# Allegro board 8880F5-0825_4.brd (continued)
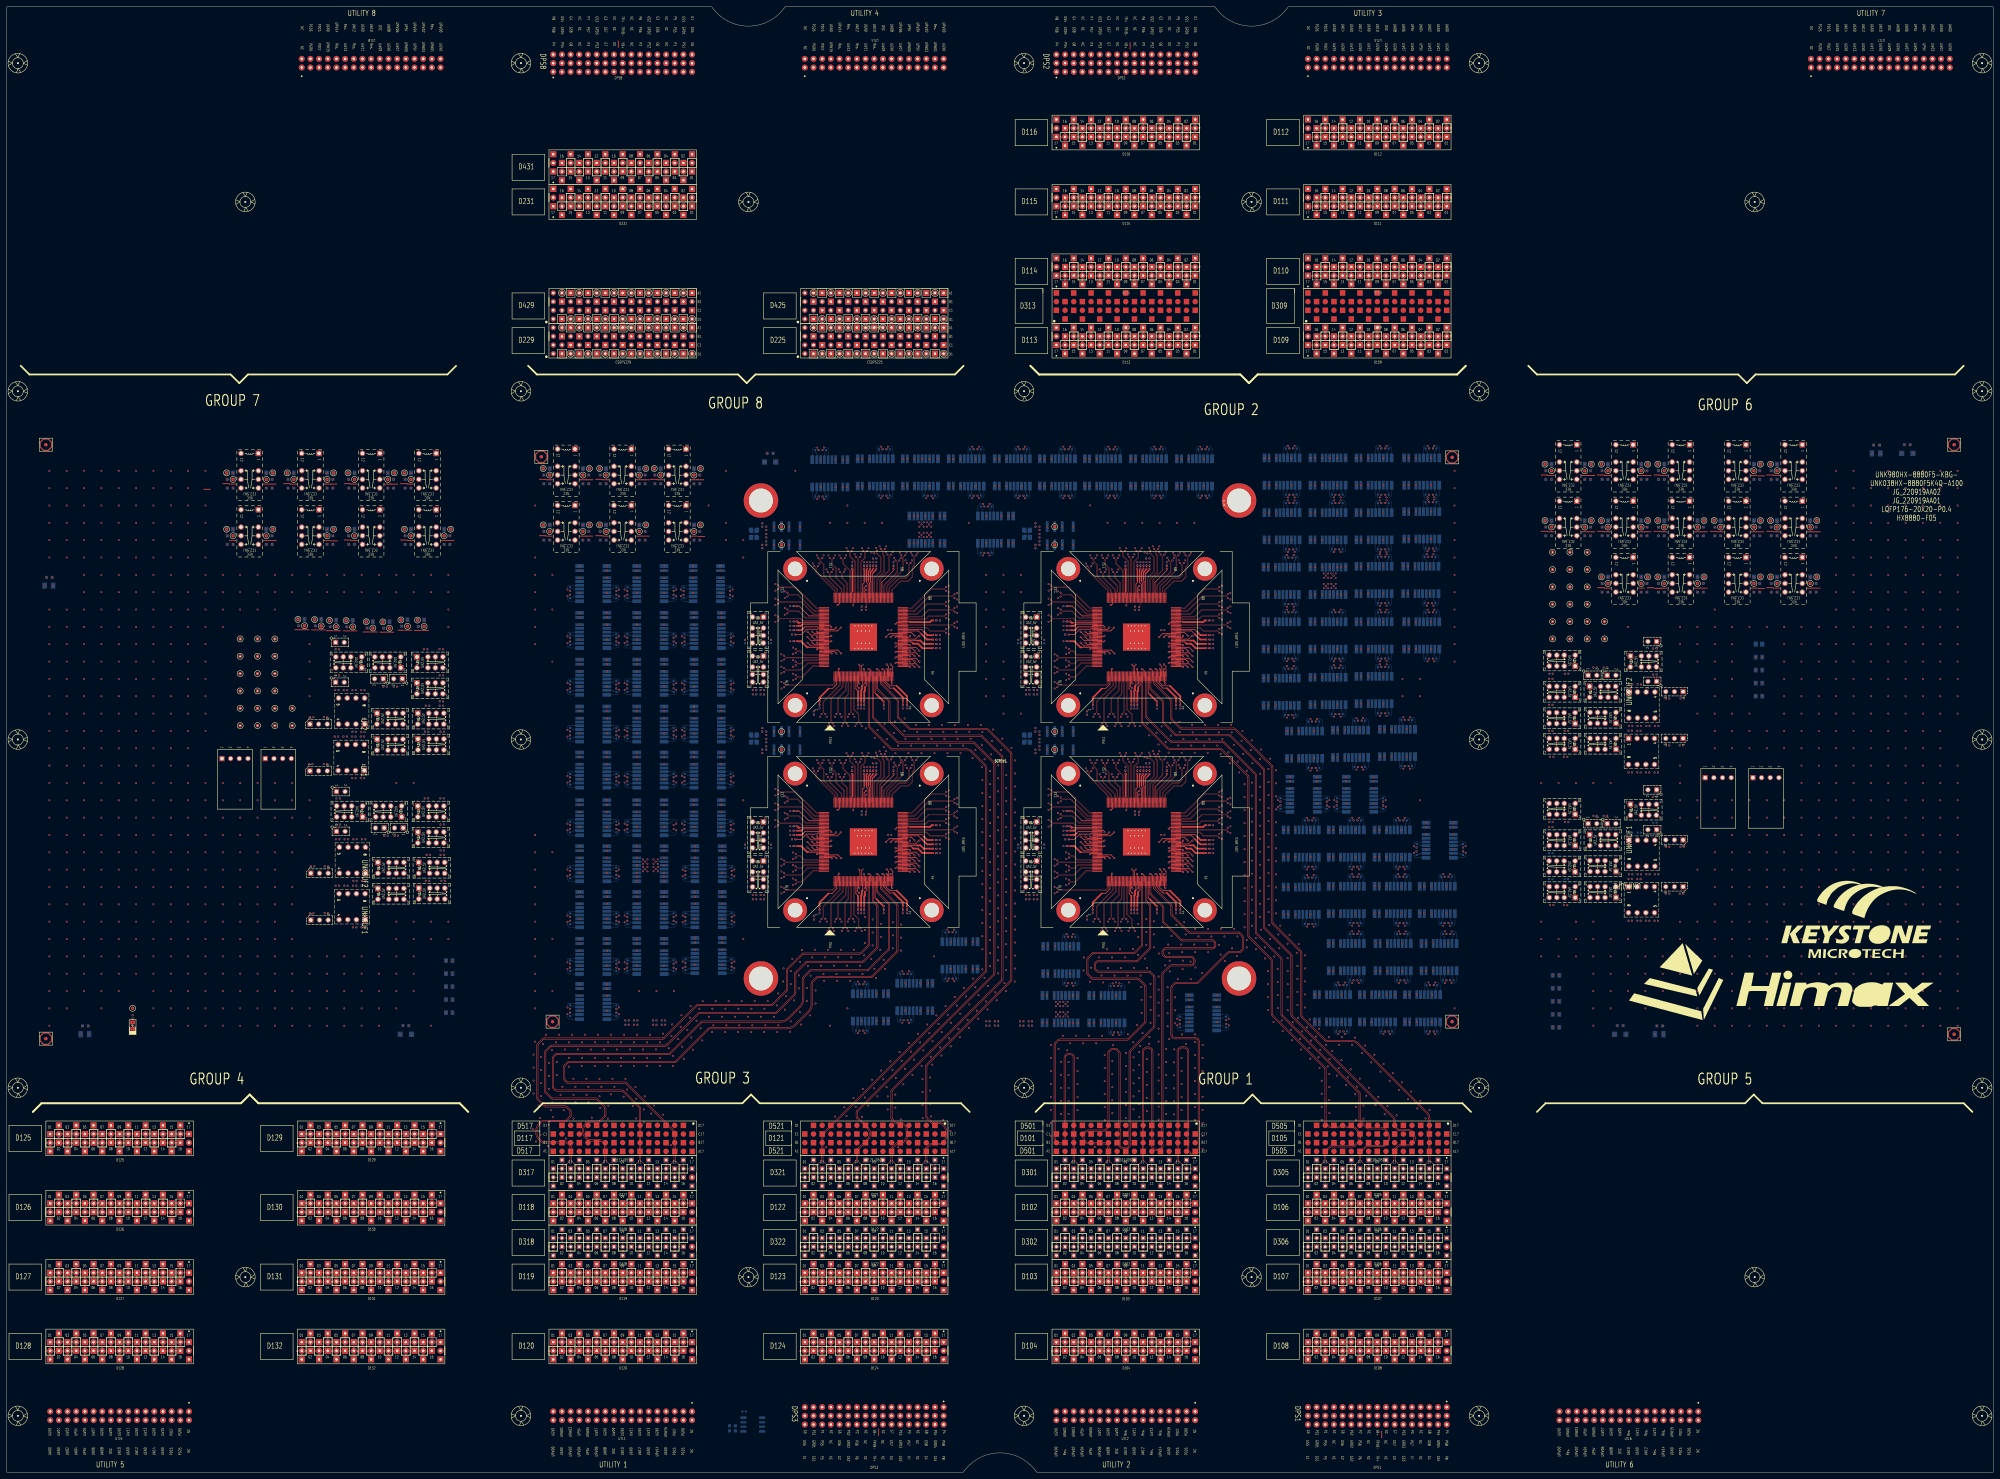
[diagram p0: board, top side]
## Placement (name value [footprint] x y rotation side) (continued)
NOREF#1898  -  []  211.11 160.4 90 top
NOREF#1899  -  []  318.3 164.74 90 top
NOREF#1900  -  []  518.38 257.36 90 top
NOREF#1901  -  []  342.04 164.74 0 top
NOREF#1902  -  []  199.08 254 0 top
NOREF#1903  -  []  329.85 224.72 0 top
NOREF#1904  -  []  511.59 273.87 90 top
NOREF#1905  -  []  334.61 264.65 90 top
NOREF#1906  -  []  306.85 271.67 0 top
NOREF#1907  -  []  331.06 163.82 90 top
NOREF#1908  -  []  247.25 204.35 90 top
NOREF#1909  -  []  275.82 296.86 0 top
NOREF#1910  -  []  456.04 179.06 0 top
NOREF#1911  -  []  229.21 243.09 0 top
NOREF#1912  -  []  413.71 178.82 90 top
NOREF#1913  -  []  317.66 224.72 0 top
NOREF#1914  -  []  127.3 228.02 90 top
NOREF#1915  -  []  424.47 163.09 90 top
NOREF#1916  -  []  263.95 163.52 90 top
NOREF#1917  -  []  528.1 257.36 90 top
NOREF#1918  -  []  199.59 203.01 90 top
NOREF#1919  -  []  341.63 255.43 90 top
NOREF#1920  -  []  327.25 265.56 0 top
NOREF#1921  -  []  408.28 129.99 0 top
NOREF#1922  -  []  410.52 273.37 0 top
NOREF#1923  -  []  367.13 287.22 0 top
NOREF#1924  -  []  410.78 131.89 0 top
NOREF#1925  -  []  408.02 287.22 0 top
NOREF#1926  -  []  182.57 144.78 90 top
NOREF#1927  -  []  96.33 238.84 0 top
NOREF#1928  -  []  124.64 171.1 0 top
NOREF#1929  -  []  310.41 248.88 90 top
NOREF#1930  -  []  119.7 238.84 0 top
NOREF#1931  -  []  182.57 199.39 90 top
NOREF#1932  -  []  303.84 288.86 0 top
NOREF#1933  -  []  351.04 185.5 0 top
NOREF#1934  -  []  410.52 241.11 0 top
NOREF#1935  -  []  272.24 183.59 90 top
NOREF#1936  -  []  177.33 242.18 90 top
NOREF#1937  -  []  192.47 189.02 90 top
NOREF#1938  -  []  93.76 290.38 90 top
NOREF#1939  -  []  182.57 158.5 90 top
NOREF#1940  -  []  253.4 204.35 90 top
NOREF#1941  -  []  200.98 260.9 90 top
NOREF#1942  -  []  251.38 224.74 90 top
NOREF#1943  -  []  310.41 188.88 90 top
NOREF#1944  -  []  394.66 226.38 90 top
NOREF#1945  -  []  175.7 137.37 90 top
NOREF#1946  -  []  167.7 147.28 90 top
NOREF#1947  -  []  201.49 163.2 90 top
NOREF#1948  -  []  209.23 243.88 90 top
NOREF#1949  -  []  267.84 280.1 0 top
NOREF#1950  -  []  453.88 195.91 0 top
NOREF#1951  -  []  289.29 296.86 0 top
NOREF#1952  -  []  116.27 178.64 0 top
NOREF#1953  -  []  352.24 184.86 90 top
NOREF#1954  -  []  272.8 157.28 0 top
NOREF#1955  -  []  247.25 265.55 0 top
NOREF#1956  -  []  352.24 242.32 90 top
NOREF#1957  -  []  395.2 233.11 0 top
NOREF#1958  -  []  412.36 209.61 90 top
NOREF#1959  -  []  473.79 239.64 0 top
NOREF#1960  -  []  247.25 205.56 90 top
NOREF#1961  -  []  410.78 131.89 0 top
NOREF#1962  -  []  301.56 171.46 0 top
NOREF#1963  -  []  300.36 177.06 0 top
NOREF#1964  -  []  230.73 183.41 0 top
NOREF#1965  -  []  115.19 128.27 0 top
NOREF#1966  -  []  451.64 222.5 0 top
NOREF#1967  -  []  282.9 147.38 0 top
NOREF#1968  -  []  380.59 255.21 0 top
NOREF#1969  -  []  201.49 161 90 top
NOREF#1970  -  []  260.6 286.96 90 top
NOREF#1971  -  []  313.22 288.31 90 top
NOREF#1972  -  []  352.24 181.05 90 top
NOREF#1973  -  []  200.98 256.5 90 top
NOREF#1974  -  []  305.94 288.86 0 top
NOREF#1975  -  []  375.73 193.43 0 top
NOREF#1976  -  []  167.7 206.29 90 top
NOREF#1977  -  []  459.28 227 90 top
NOREF#1978  -  []  376.23 209.11 0 top
NOREF#1979  -  []  420.62 239.21 90 top
NOREF#1980  -  []  453.88 230.2 0 top
NOREF#1981  -  []  271.56 288.91 90 top
NOREF#1982  -  []  477.24 195.66 0 top
NOREF#1983  -  []  199.33 257.62 90 top
NOREF#1984  -  []  459.24 219.3 0 top
NOREF#1985  -  []  272.55 189.5 0 top
NOREF#1986  -  []  295.19 271.65 90 top
NOREF#1987  -  []  175.8 215.25 90 top
NOREF#1988  -  []  415.1 163.64 0 top
NOREF#1989  -  []  309.05 271.67 0 top
NOREF#1990  -  []  238.3 223.52 90 top
NOREF#1991  -  []  397.38 163.64 90 top
NOREF#1992  -  []  165.8 254 90 top
NOREF#1993  -  []  251.06 165.04 90 top
NOREF#1994  -  []  392.04 224.85 90 top
NOREF#1995  -  []  410.52 241.11 0 top
NOREF#1996  -  []  274.67 286.96 0 top
NOREF#1997  -  []  384.36 131.89 0 top
NOREF#1998  -  []  317.66 164.74 0 top
NOREF#1999  -  []  396.55 257.37 0 top
NOREF#2000  -  []  199.84 162.12 90 top
NOREF#2001  -  []  201.23 187.92 90 top
NOREF#2002  -  []  116.01 222.33 0 top
NOREF#2003  -  []  302.11 192.14 0 top
NOREF#2004  -  []  351.04 249.82 0 top
NOREF#2005  -  []  184.47 151.68 90 top
NOREF#2006  -  []  248.96 164.74 0 top
NOREF#2007  -  []  463.61 179.15 0 top
NOREF#2008  -  []  415.61 185.72 90 top
NOREF#2009  -  []  400.25 148.15 90 top
NOREF#2010  -  []  263.71 288.86 0 top
NOREF#2011  -  []  175.7 195.52 90 top
NOREF#2012  -  []  367.13 271.21 0 top
NOREF#2013  -  []  485.36 259.9 90 top
NOREF#2014  -  []  465.31 230.2 0 top
NOREF#2015  -  []  184.89 172.56 90 top
NOREF#2016  -  []  412.79 209.16 90 top
NOREF#2017  -  []  419.22 257.37 90 top
NOREF#2018  -  []  404.4 225.16 90 top
NOREF#2019  -  []  400.85 281.11 0 top
NOREF#2020  -  []  184.47 178.86 90 top
NOREF#2021  -  []  184.47 200.54 90 top
NOREF#2022  -  []  230.43 187.61 0 top
NOREF#2023  -  []  329.85 224.74 0 top
NOREF#2024  -  []  399.67 131.89 0 top
NOREF#2025  -  []  344.37 128.27 0 top
NOREF#2026  -  []  375.22 163.39 0 top
NOREF#2027  -  []  412.62 241.11 0 top
NOREF#2028  -  []  369.38 257.11 0 top
NOREF#2029  -  []  378.75 256.66 90 top
NOREF#2030  -  []  259.88 288.31 90 top
NOREF#2031  -  []  392.04 257.11 90 top
NOREF#2032  -  []  303.56 185.29 90 top
NOREF#2033  -  []  106.29 174.19 90 top
NOREF#2034  -  []  165.8 212.85 90 top
NOREF#2035  -  []  271.04 249.18 0 top
NOREF#2036  -  []  324.65 288.86 0 top
NOREF#2037  -  []  201.23 206.29 90 top
NOREF#2038  -  []  118.7 188.08 0 top
NOREF#2039  -  []  331.06 165.04 90 top
NOREF#2040  -  []  409.49 163.64 0 top
NOREF#2041  -  []  411.99 178.25 90 top
NOREF#2042  -  []  310.41 247.61 90 top
NOREF#2043  -  []  373.87 171.39 0 top
NOREF#2044  -  []  387.08 188.15 0 top
NOREF#2045  -  []  263.95 164.74 90 top
NOREF#2046  -  []  401.89 163.64 0 top
NOREF#2047  -  []  343.83 231.63 90 top
NOREF#2048  -  []  399.64 144.98 0 top
NOREF#2049  -  []  331.05 204.65 90 top
NOREF#2050  -  []  184.47 233.47 90 top
NOREF#2051  -  []  471.21 175.95 0 top
NOREF#2052  -  []  222.67 298 90 top
NOREF#2053  -  []  84.04 290.38 90 top
NOREF#2054  -  []  396.55 289.12 0 top
NOREF#2055  -  []  463.11 230.2 0 top
NOREF#2056  -  []  209.59 147.43 90 top
NOREF#2057  -  []  352.55 183.91 0 top
NOREF#2058  -  []  501.87 276.41 90 top
NOREF#2059  -  []  352.25 242.96 0 top
NOREF#2060  -  []  384.59 179.6 90 top
NOREF#2061  -  []  124.61 178.64 0 top
NOREF#2062  -  []  461.86 230.75 0 top
NOREF#2063  -  []  400.24 202.38 90 top
NOREF#2064  -  []  288.14 286.96 0 top
NOREF#2065  -  []  94.93 190.55 0 top
NOREF#2066  -  []  115.36 235.64 90 top
NOREF#2067  -  []  329.28 223.82 90 top
NOREF#2068  -  []  449.99 174.46 0 top
NOREF#2069  -  []  273.95 147.38 90 top
NOREF#2070  -  []  124.39 214.79 0 top
NOREF#2071  -  []  107.02 171.57 0 top
NOREF#2072  -  []  250.49 163.52 90 top
NOREF#2073  -  []  423.61 188.92 90 top
NOREF#2074  -  []  36.1 131.91 0 top
NOREF#2075  -  []  167.7 192.32 90 top
NOREF#2076  -  []  392.73 188.15 0 top
NOREF#2077  -  []  272.25 242.96 0 top
NOREF#2078  -  []  351.04 189.82 0 top
NOREF#2079  -  []  249.6 224.74 90 top
NOREF#2080  -  []  297.71 216.09 0 top
NOREF#2081  -  []  128.05 273.87 90 top
NOREF#2082  -  []  272.25 185.5 0 top
NOREF#2083  -  []  229.21 186.34 0 top
NOREF#2084  -  []  184.47 219.75 90 top
NOREF#2085  -  []  330.73 204.35 90 top
NOREF#2086  -  []  461.86 182.17 90 top
NOREF#2087  -  []  410.84 180.15 90 top
NOREF#2088  -  []  473.79 196.21 0 top
NOREF#2089  -  []  399.39 178.25 0 top
NOREF#2090  -  []  271.04 245.5 0 top
NOREF#2091  -  []  331.62 264.35 90 top
NOREF#2092  -  []  201.23 242.78 90 top
NOREF#2093  -  []  298.49 288.91 90 top
NOREF#2094  -  []  165.8 158.5 0 top
NOREF#2095  -  []  250.73 205.56 90 top
NOREF#2096  -  []  375.73 194.78 90 top
NOREF#2097  -  []  182.82 203.01 90 top
NOREF#2098  -  []  392.24 199.18 90 top
NOREF#2099  -  []  96.58 195.15 0 top
NOREF#2100  -  []  118.7 222.88 0 top
NOREF#2101  -  []  167.7 161 90 top
NOREF#2102  -  []  327.89 204.35 90 top
NOREF#2103  -  []  327.25 265.56 90 top
NOREF#2104  -  []  230.41 253.37 90 top
NOREF#2105  -  []  199.33 240.28 0 top
NOREF#2106  -  []  351.04 244.23 0 top
NOREF#2107  -  []  352.25 182.32 90 top
NOREF#2108  -  []  229.21 188.88 0 top
NOREF#2109  -  []  383.09 257.11 0 top
NOREF#2110  -  []  230.41 186.34 90 top
NOREF#2111  -  []  118.99 166.5 90 top
NOREF#2112  -  []  310.43 248.88 90 top
NOREF#2113  -  []  379 272.56 90 top
NOREF#2114  -  []  400.91 207.71 0 top
NOREF#2115  -  []  105.58 234.24 90 top
NOREF#2116  -  []  259.97 204.35 90 top
NOREF#2117  -  []  327.57 205.86 90 top
NOREF#2118  -  []  327.25 205.55 0 top
NOREF#2119  -  []  463.61 222.58 0 top
NOREF#2120  -  []  385.19 265.11 0 top
NOREF#2121  -  []  167.7 219.75 90 top
NOREF#2122  -  []  320.83 254.63 0 top
NOREF#2123  -  []  463.61 214.96 0 top
NOREF#2124  -  []  108.01 214.71 0 top
NOREF#2125  -  []  306.92 146.05 0 top
NOREF#2126  -  []  240.83 254.63 0 top
NOREF#2127  -  []  177.33 187.32 90 top
NOREF#2128  -  []  397.55 209.41 90 top
NOREF#2129  -  []  201.49 159.65 0 top
NOREF#2130  -  []  351.34 182.64 0 top
NOREF#2131  -  []  334.81 296.86 0 top
NOREF#2132  -  []  116.27 171.02 0 top
NOREF#2133  -  []  451.64 222.5 0 top
NOREF#2134  -  []  165.8 144.78 90 top
NOREF#2135  -  []  378.75 240.66 90 top
NOREF#2136  -  []  184.47 186.57 90 top
NOREF#2137  -  []  192.47 191.22 90 top
NOREF#2138  -  []  472.86 217.98 90 top
NOREF#2139  -  []  262.36 225.04 90 top
NOREF#2140  -  []  259.45 288.86 90 top
NOREF#2141  -  []  413.71 148.15 90 top
NOREF#2142  -  []  528.1 276.41 90 top
NOREF#2143  -  []  249.6 163.52 90 top
NOREF#2144  -  []  412.88 139.89 0 top
NOREF#2145  -  []  342.68 224.74 90 top
NOREF#2146  -  []  310.43 243.09 90 top
NOREF#2147  -  []  390.94 257.16 90 top
NOREF#2148  -  []  250.17 163.82 90 top
NOREF#2149  -  []  230.41 187.61 90 top
NOREF#2150  -  []  167.7 178.86 90 top
NOREF#2151  -  []  167.7 192.32 90 top
NOREF#2152  -  []  485.36 292.02 90 top
NOREF#2153  -  []  340.61 286.96 90 top
NOREF#2154  -  []  167.7 186.57 0 top
NOREF#2155  -  []  261.82 290.13 90 top
NOREF#2156  -  []  295.96 177.06 0 top
NOREF#2157  -  []  341.63 233.83 90 top
NOREF#2158  -  []  272.24 189.18 90 top
NOREF#2159  -  []  272.24 244.86 90 top
NOREF#2160  -  []  175.7 162.1 90 top
NOREF#2161  -  []  127.95 187.53 0 top
NOREF#2162  -  []  105.93 204.27 90 top
NOREF#2163  -  []  330.17 165.04 90 top
NOREF#2164  -  []  177.33 146.68 90 top
NOREF#2165  -  []  242.23 173.13 0 top
NOREF#2166  -  []  368.03 265.11 0 top
NOREF#2167  -  []  248.96 164.72 0 top
NOREF#2168  -  []  343.95 224.74 90 top
NOREF#2169  -  []  375.73 196.98 90 top
NOREF#2170  -  []  271.34 249.5 0 top
NOREF#2171  -  []  471.21 219.38 0 top
NOREF#2172  -  []  257.09 163.52 90 top
NOREF#2173  -  []  250.73 205.55 0 top
NOREF#2174  -  []  298.13 214.06 90 top
NOREF#2175  -  []  238.3 164.74 90 top
NOREF#2176  -  []  271.34 185.18 0 top
NOREF#2177  -  []  273.59 272.15 90 top
NOREF#2178  -  []  284.77 288.86 0 top
NOREF#2179  -  []  184.47 206.29 90 top
NOREF#2180  -  []  192.47 205.19 90 top
NOREF#2181  -  []  413.71 178.82 0 top
NOREF#2182  -  []  262.68 223.52 90 top
NOREF#2183  -  []  247.89 264.35 90 top
NOREF#2184  -  []  478.57 277.31 90 top
NOREF#2185  -  []  388.35 217.36 0 top
NOREF#2186  -  []  218.13 274.06 0 top
NOREF#2187  -  []  250.18 242.88 0 top
NOREF#2188  -  []  495.08 259.9 90 top
NOREF#2189  -  []  383.07 180.2 90 top
NOREF#2190  -  []  167.7 173.11 0 top
NOREF#2191  -  []  167.7 241.43 90 top
NOREF#2192  -  []  209.49 164.3 90 top
NOREF#2193  -  []  310.43 194.01 0 top
NOREF#2194  -  []  209.33 242.68 90 top
NOREF#2195  -  []  310.43 247.61 90 top
NOREF#2196  -  []  105.83 190.55 90 top
NOREF#2197  -  []  309.12 154.05 0 top
NOREF#2198  -  []  392.24 193.43 0 top
NOREF#2199  -  []  333.72 265.86 90 top
NOREF#2200  -  []  310.73 193.69 0 top
NOREF#2201  -  []  167.7 247.18 90 top
NOREF#2202  -  []  124.35 187.53 0 top
NOREF#2203  -  []  318.3 223.52 90 top
NOREF#2204  -  []  256.45 164.72 0 top
NOREF#2205  -  []  328.42 129.74 90 top
NOREF#2206  -  []  208.98 257.6 90 top
NOREF#2207  -  []  473.79 239.64 0 top
NOREF#2208  -  []  424.47 163.19 90 top
NOREF#2209  -  []  272.24 184.86 90 top
NOREF#2210  -  []  320.42 139.64 0 top
NOREF#2211  -  []  262.36 223.82 90 top
NOREF#2212  -  []  352.25 182.96 0 top
NOREF#2213  -  []  272.55 242.64 0 top
NOREF#2214  -  []  320.83 194.63 0 top
NOREF#2215  -  []  119.95 222.33 0 top
NOREF#2216  -  []  251.54 192.73 90 top
NOREF#2217  -  []  339.65 265.86 90 top
NOREF#2218  -  []  310.43 253.37 90 top
NOREF#2219  -  []  468.85 257.36 90 top
NOREF#2220  -  []  310.43 193.37 0 top
NOREF#2221  -  []  395.2 265.37 0 top
NOREF#2222  -  []  165.8 131.57 90 top
NOREF#2223  -  []  387.8 210.63 90 top
NOREF#2224  -  []  317.83 257.63 0 top
NOREF#2225  -  []  331.38 164.74 90 top
NOREF#2226  -  []  341.63 195.43 90 top
NOREF#2227  -  []  467.51 230.2 0 top
NOREF#2228  -  []  263.63 223.82 90 top
NOREF#2229  -  []  222.11 192.14 0 top
NOREF#2230  -  []  277.5 155.38 0 top
NOREF#2231  -  []  390.53 188.15 0 top
NOREF#2232  -  []  262.04 164.72 0 top
NOREF#2233  -  []  259.33 265.56 90 top
NOREF#2234  -  []  253.72 205.86 90 top
NOREF#2235  -  []  376.23 209.11 0 top
NOREF#2236  -  []  383.09 241.11 0 top
NOREF#2237  -  []  112.05 246.78 90 top
NOREF#2238  -  []  398.65 297.12 0 top
NOREF#2239  -  []  122.15 222.33 0 top
NOREF#2240  -  []  396.55 241.11 0 top
NOREF#2241  -  []  411.01 209.61 0 top
NOREF#2242  -  []  250.49 223.52 90 top
NOREF#2243  -  []  209.23 195.52 90 top
NOREF#2244  -  []  237.66 224.74 0 top
NOREF#2245  -  []  184.47 163.2 90 top
NOREF#2246  -  []  326 288.86 90 top
NOREF#2247  -  []  194.09 160.4 90 top
NOREF#2248  -  []  346.27 132.97 90 top
NOREF#2249  -  []  128.21 178.64 0 top
NOREF#2250  -  []  200.98 258.7 90 top
NOREF#2251  -  []  398.65 209.36 90 top
NOREF#2252  -  []  230.43 188.88 0 top
NOREF#2253  -  []  166.06 175.58 90 top
NOREF#2254  -  []  296.96 180.71 0 top
NOREF#2255  -  []  201.91 159.1 90 top
NOREF#2256  -  []  272.55 249.5 0 top
NOREF#2257  -  []  237.98 223.82 90 top
NOREF#2258  -  []  400.85 297.12 0 top
NOREF#2259  -  []  419.64 256.82 90 top
NOREF#2260  -  []  192.47 236.67 90 top
NOREF#2261  -  []  194.09 228.47 90 top
NOREF#2262  -  []  465.45 273.87 90 top
NOREF#2263  -  []  408.63 274.64 90 top
NOREF#2264  -  []  339.65 205.86 90 top
NOREF#2265  -  []  404.4 289.17 90 top
NOREF#2266  -  []  175.7 164.3 90 top
NOREF#2267  -  []  330.74 224.72 0 top
NOREF#2268  -  []  412.62 289.12 0 top
NOREF#2269  -  []  310.43 254.01 0 top
NOREF#2270  -  []  166.06 230.19 90 top
NOREF#2271  -  []  192.57 160.9 90 top
NOREF#2272  -  []  343.98 288.86 0 top
NOREF#2273  -  []  309.51 249.2 0 top
NOREF#2274  -  []  259.33 264.35 90 top
NOREF#2275  -  []  251.62 264.35 90 top
NOREF#2276  -  []  230.41 248.88 90 top
NOREF#2277  -  []  230.43 193.37 90 top
NOREF#2278  -  []  329.28 225.04 90 top
NOREF#2279  -  []  366.88 255.21 0 top
NOREF#2280  -  []  306.83 269.63 90 top
NOREF#2281  -  []  332.51 205.56 0 top
NOREF#2282  -  []  313.77 146.05 90 top
NOREF#2283  -  []  209.49 182.06 90 top
NOREF#2284  -  []  418.38 131.89 0 top
NOREF#2285  -  []  182.57 158.5 0 top
NOREF#2286  -  []  333.4 205.55 0 top
NOREF#2287  -  []  229.51 243.41 0 top
NOREF#2288  -  []  465.81 179.15 0 top
NOREF#2289  -  []  229.21 248.88 0 top
NOREF#2290  -  []  177.33 173.86 90 top
NOREF#2291  -  []  332.51 205.55 0 top
NOREF#2292  -  []  106.76 215.26 0 top
NOREF#2293  -  []  352.55 243.91 0 top
NOREF#2294  -  []  199.33 199.39 90 top
NOREF#2295  -  []  209.33 228.97 90 top
NOREF#2296  -  []  372.72 178.25 0 top
NOREF#2297  -  []  119.99 214.79 0 top
NOREF#2298  -  []  379 288.57 90 top
NOREF#2299  -  []  259.33 265.56 0 top
NOREF#2300  -  []  231.15 159.63 90 top
NOREF#2301  -  []  410.84 163.64 90 top
NOREF#2302  -  []  192.47 195.52 90 top
NOREF#2303  -  []  271.04 244.23 0 top
NOREF#2304  -  []  166.06 162.12 90 top
NOREF#2305  -  []  249.6 223.52 90 top
NOREF#2306  -  []  310.43 193.37 90 top
NOREF#2307  -  []  475.04 239.09 0 top
NOREF#2308  -  []  334.29 265.56 90 top
NOREF#2309  -  []  290.11 280.1 0 top
NOREF#2310  -  []  201.4 254.6 90 top
NOREF#2311  -  []  250.49 224.74 90 top
NOREF#2312  -  []  199.59 171.96 90 top
NOREF#2313  -  []  319.15 296.86 0 top
NOREF#2314  -  []  470.71 227 90 top
NOREF#2315  -  []  215.96 248.49 0 top
NOREF#2316  -  []  386.46 139.89 0 top
NOREF#2317  -  []  425.7 144.98 90 top
NOREF#2318  -  []  167.7 260.9 90 top
NOREF#2319  -  []  378.75 240.56 90 top
NOREF#2320  -  []  287.27 286.96 90 top
NOREF#2321  -  []  263.71 288.86 0 top
NOREF#2322  -  []  459.28 183.57 0 top
NOREF#2323  -  []  306.83 209.63 90 top
NOREF#2324  -  []  310.73 253.69 0 top
NOREF#2325  -  []  121.9 231.22 0 top
NOREF#2326  -  []  259.65 264.65 90 top
NOREF#2327  -  []  460.93 234.74 90 top
NOREF#2328  -  []  460.93 166.93 90 top
NOREF#2329  -  []  249.28 163.82 90 top
NOREF#2330  -  []  310.73 253.69 0 top
NOREF#2331  -  []  463.61 222.58 0 top
NOREF#2332  -  []  312.67 146.1 90 top
NOREF#2333  -  []  211.11 173.86 90 top
NOREF#2334  -  []  118.96 179.19 0 top
NOREF#2335  -  []  121.9 238.84 0 top
NOREF#2336  -  []  254.29 204.35 90 top
NOREF#2337  -  []  115.99 130.36 90 top
NOREF#2338  -  []  450.03 234.74 0 top
NOREF#2339  -  []  327.57 265.86 90 top
NOREF#2340  -  []  226.27 156.63 90 top
NOREF#2341  -  []  175.7 264.1 90 top
NOREF#2342  -  []  263.31 224.74 0 top
NOREF#2343  -  []  383.73 198.08 90 top
NOREF#2344  -  []  249.28 223.82 90 top
NOREF#2345  -  []  330.73 205.56 90 top
NOREF#2346  -  []  409.49 180.15 0 top
NOREF#2347  -  []  397.38 180.15 90 top
NOREF#2348  -  []  330.49 223.52 90 top
NOREF#2349  -  []  165.8 254 0 top
NOREF#2350  -  []  201.49 178.86 90 top
NOREF#2351  -  []  339.33 204.35 90 top
NOREF#2352  -  []  371.73 281.11 0 top
NOREF#2353  -  []  511.59 257.36 90 top
NOREF#2354  -  []  168.13 227.17 90 top
NOREF#2355  -  []  209.23 246.08 90 top
NOREF#2356  -  []  450.03 166.93 0 top
NOREF#2357  -  []  247.57 264.65 90 top
NOREF#2358  -  []  407.71 217.61 0 top
NOREF#2359  -  []  107.02 179.19 0 top
NOREF#2360  -  []  117.33 247.35 90 top
NOREF#2361  -  []  377.23 273.11 0 top
NOREF#2362  -  []  450.03 225.6 0 top
NOREF#2363  -  []  392.24 196.98 90 top
NOREF#2364  -  []  473.6 206.05 90 top
NOREF#2365  -  []  451.68 239.34 0 top
NOREF#2366  -  []  168.13 254.6 90 top
NOREF#2367  -  []  339.65 264.65 90 top
NOREF#2368  -  []  470.71 183.57 90 top
NOREF#2369  -  []  410.27 257.37 0 top
NOREF#2370  -  []  201.23 233.47 90 top
NOREF#2371  -  []  201.23 206.29 90 top
NOREF#2372  -  []  268.94 272.1 0 top
NOREF#2373  -  []  371.73 273.11 0 top
NOREF#2374  -  []  309.51 189.2 0 top
NOREF#2375  -  []  468.85 259.9 90 top
NOREF#2376  -  []  385.19 297.12 0 top
NOREF#2377  -  []  327.7 131.09 90 top
NOREF#2378  -  []  184.47 258.7 90 top
NOREF#2379  -  []  417.7 154.88 0 top
NOREF#2380  -  []  244.8 288.61 0 top
NOREF#2381  -  []  237.66 224.72 0 top
NOREF#2382  -  []  424.98 146.33 90 top
NOREF#2383  -  []  192.47 222.95 90 top
NOREF#2384  -  []  386.53 181.42 90 top
NOREF#2385  -  []  208.98 259.8 90 top
NOREF#2386  -  []  262.68 164.74 90 top
NOREF#2387  -  []  120.21 178.64 0 top
NOREF#2388  -  []  332.51 205.56 90 top
NOREF#2389  -  []  318.45 197.01 0 top
NOREF#2390  -  []  220.36 237.06 0 top
NOREF#2391  -  []  343.83 171.63 90 top
NOREF#2392  -  []  334.29 205.55 0 top
NOREF#2393  -  []  450.03 166.93 0 top
NOREF#2394  -  []  259.33 204.35 90 top
NOREF#2395  -  []  342.68 164.74 90 top
NOREF#2396  -  []  302.11 180.71 0 top
NOREF#2397  -  []  406.65 239.21 90 top
NOREF#2398  -  []  477.24 239.09 0 top
NOREF#2399  -  []  209.23 205.19 90 top
NOREF#2400  -  []  312.42 146.05 0 top
NOREF#2401  -  []  475.04 239.09 0 top
NOREF#2402  -  []  115.87 175.44 90 top
NOREF#2403  -  []  383.09 273.11 0 top
NOREF#2404  -  []  402.14 146.88 0 top
NOREF#2405  -  []  344.37 128.27 90 top
NOREF#2406  -  []  405.93 224.56 90 top
NOREF#2407  -  []  253.4 265.56 0 top
NOREF#2408  -  []  465.81 171.53 0 top
NOREF#2409  -  []  75.98 290.38 90 top
NOREF#2410  -  []  106.03 217.88 90 top
NOREF#2411  -  []  412.88 131.89 0 top
NOREF#2412  -  []  251.38 163.52 90 top
NOREF#2413  -  []  329.85 164.72 0 top
NOREF#2414  -  []  546.67 300.44 90 top
NOREF#2415  -  []  351.04 249.18 0 top
NOREF#2416  -  []  419.9 154.88 0 top
NOREF#2417  -  []  288.74 290.13 90 top
NOREF#2418  -  []  386.33 207.21 90 top
NOREF#2419  -  []  201.23 200.54 0 top
NOREF#2420  -  []  177.33 201.29 90 top
NOREF#2421  -  []  223.56 245.29 90 top
NOREF#2422  -  []  412.62 281.37 0 top
NOREF#2423  -  []  258.1 288.86 0 top
NOREF#2424  -  []  254.29 265.56 90 top
NOREF#2425  -  []  392.24 193.43 90 top
NOREF#2426  -  []  230.43 246.34 0 top
NOREF#2427  -  []  283.21 270.2 90 top
NOREF#2428  -  []  450.03 210.36 0 top
NOREF#2429  -  []  287.91 280.1 0 top
NOREF#2430  -  []  257.08 132.19 90 top
NOREF#2431  -  []  201.21 290.01 90 top
NOREF#2432  -  []  337.09 163.52 90 top
NOREF#2433  -  []  375.22 180.15 0 top
NOREF#2434  -  []  194.09 214.75 90 top
NOREF#2435  -  []  395.2 281.11 0 top
NOREF#2436  -  []  404.24 154.88 0 top
NOREF#2437  -  []  221.56 239.06 0 top
NOREF#2438  -  []  199.84 175.58 90 top
NOREF#2439  -  []  309.21 246.34 0 top
NOREF#2440  -  []  460.89 174.46 90 top
NOREF#2441  -  []  473.79 196.21 0 top
NOREF#2442  -  []  184.47 233.47 90 top
NOREF#2443  -  []  396.55 289.12 0 top
NOREF#2444  -  []  247.34 133.41 90 top
NOREF#2445  -  []  419.73 131.89 90 top
NOREF#2446  -  []  110.21 222.33 0 top
NOREF#2447  -  []  256.77 225.04 90 top
NOREF#2448  -  []  461.86 230.75 0 top
NOREF#2449  -  []  167.7 149.48 90 top
NOREF#2450  -  []  230.43 183.09 90 top
NOREF#2451  -  []  192.47 202.99 90 top
NOREF#2452  -  []  368.28 297.12 0 top
NOREF#2453  -  []  101.82 290.38 90 top
NOREF#2454  -  []  94.68 234.24 0 top
NOREF#2455  -  []  392.47 240.66 90 top
NOREF#2456  -  []  215.96 237.06 0 top
NOREF#2457  -  []  418.37 241.16 90 top
NOREF#2458  -  []  229.51 183.41 0 top
NOREF#2459  -  []  329.85 164.74 0 top
NOREF#2460  -  []  230.43 243.09 0 top
NOREF#2461  -  []  404.24 146.88 0 top
NOREF#2462  -  []  371.48 265.11 0 top
NOREF#2463  -  []  184.47 244.98 90 top
NOREF#2464  -  []  230.41 247.61 90 top
NOREF#2465  -  []  313.98 131.19 90 top
NOREF#2466  -  []  184.47 187.92 90 top
NOREF#2467  -  []  408.37 258.64 90 top
NOREF#2468  -  []  411.26 179.6 90 top
NOREF#2469  -  []  327.57 204.65 90 top
NOREF#2470  -  []  405.5 257.37 90 top
NOREF#2471  -  []  400.85 233.11 0 top
NOREF#2472  -  []  229.05 211.67 0 top
NOREF#2473  -  []  271.04 185.5 0 top
NOREF#2474  -  []  453.88 186.77 0 top
NOREF#2475  -  []  385.18 209.11 90 top
NOREF#2476  -  []  271.34 241.37 0 top
NOREF#2477  -  []  401.89 163.64 0 top
NOREF#2478  -  []  378.75 224.05 90 top
NOREF#2479  -  []  167.7 159.65 0 top
NOREF#2480  -  []  297.41 213.24 0 top
NOREF#2481  -  []  409.43 139.89 0 top
NOREF#2482  -  []  254.29 205.56 0 top
NOREF#2483  -  []  334.29 265.55 0 top
NOREF#2484  -  []  166.06 243.9 90 top
NOREF#2485  -  []  272.25 241.69 0 top
NOREF#2486  -  []  461.86 187.32 0 top
NOREF#2487  -  []  410.52 289.12 0 top
NOREF#2488  -  []  201.49 178.86 90 top
NOREF#2489  -  []  221.56 171.46 0 top
NOREF#2490  -  []  331.54 192.73 90 top
NOREF#2491  -  []  407.77 255.47 0 top
NOREF#2492  -  []  262.68 224.74 90 top
NOREF#2493  -  []  167.7 174.46 90 top
NOREF#2494  -  []  339.89 288.41 90 top
NOREF#2495  -  []  271.56 134.74 90 top
NOREF#2496  -  []  346.69 128.87 90 top
NOREF#2497  -  []  118.7 195.7 0 top
NOREF#2498  -  []  297.41 213.24 90 top
NOREF#2499  -  []  327.25 265.55 0 top
NOREF#2500  -  []  96.58 195.15 0 top
NOREF#2501  -  []  374.88 217.11 0 top
NOREF#2502  -  []  175.7 150.58 90 top
NOREF#2503  -  []  251.05 265.86 90 top
NOREF#2504  -  []  272.25 183.59 90 top
NOREF#2505  -  []  475.04 195.66 0 top
NOREF#2506  -  []  247.25 265.56 90 top
NOREF#2507  -  []  253.4 265.55 0 top
NOREF#2508  -  []  120.24 171.1 0 top
NOREF#2509  -  []  250.74 164.72 0 top
NOREF#2510  -  []  321.82 227.13 90 top
NOREF#2511  -  []  239.33 243.63 90 top
NOREF#2512  -  []  378.75 256.56 90 top
NOREF#2513  -  []  272.25 184.23 0 top
NOREF#2514  -  []  384.17 180.15 90 top
NOREF#2515  -  []  172.08 272.6 90 top
NOREF#2516  -  []  257.09 164.74 90 top
NOREF#2517  -  []  237.57 209.63 90 top
NOREF#2518  -  []  471.21 219.38 90 top
NOREF#2519  -  []  218.16 248.49 0 top
NOREF#2520  -  []  332.83 264.65 90 top
NOREF#2521  -  []  184.47 192.32 90 top
NOREF#2522  -  []  167.7 231.27 90 top
NOREF#2523  -  []  109.96 238.84 0 top
NOREF#2524  -  []  342.68 223.52 90 top
NOREF#2525  -  []  405.93 288.57 90 top
NOREF#2526  -  []  329.6 164.74 90 top
NOREF#2527  -  []  286.55 288.31 90 top
NOREF#2528  -  []  248 286.96 0 top
NOREF#2529  -  []  252.6 288.86 0 top
NOREF#2530  -  []  381.74 281.11 0 top
NOREF#2531  -  []  384.17 163.39 90 top